# KiCad board STIC.kicad_pcb
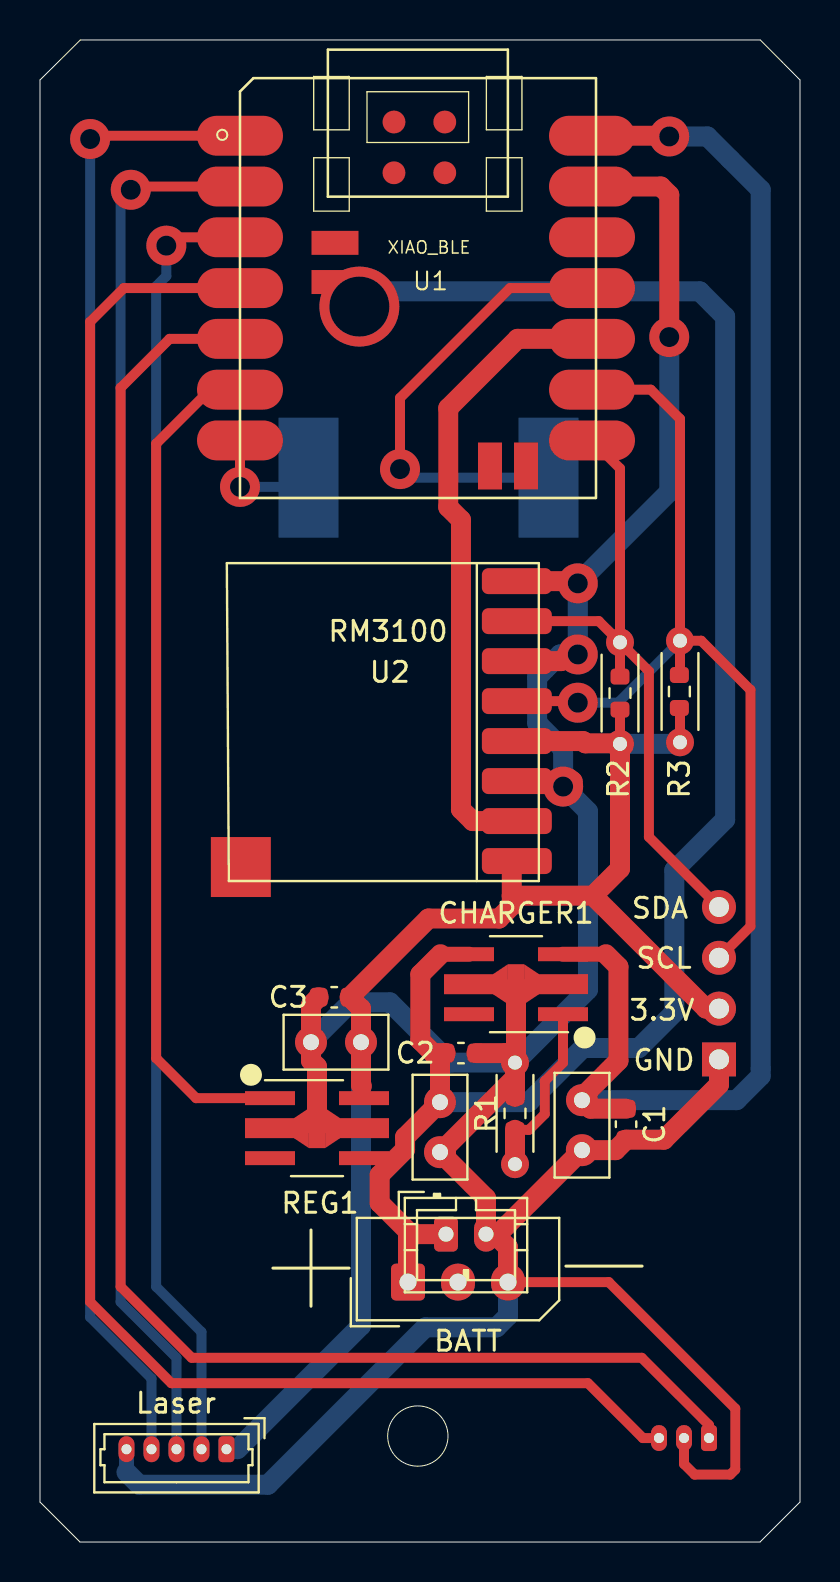
[diagram p0: board, top side]
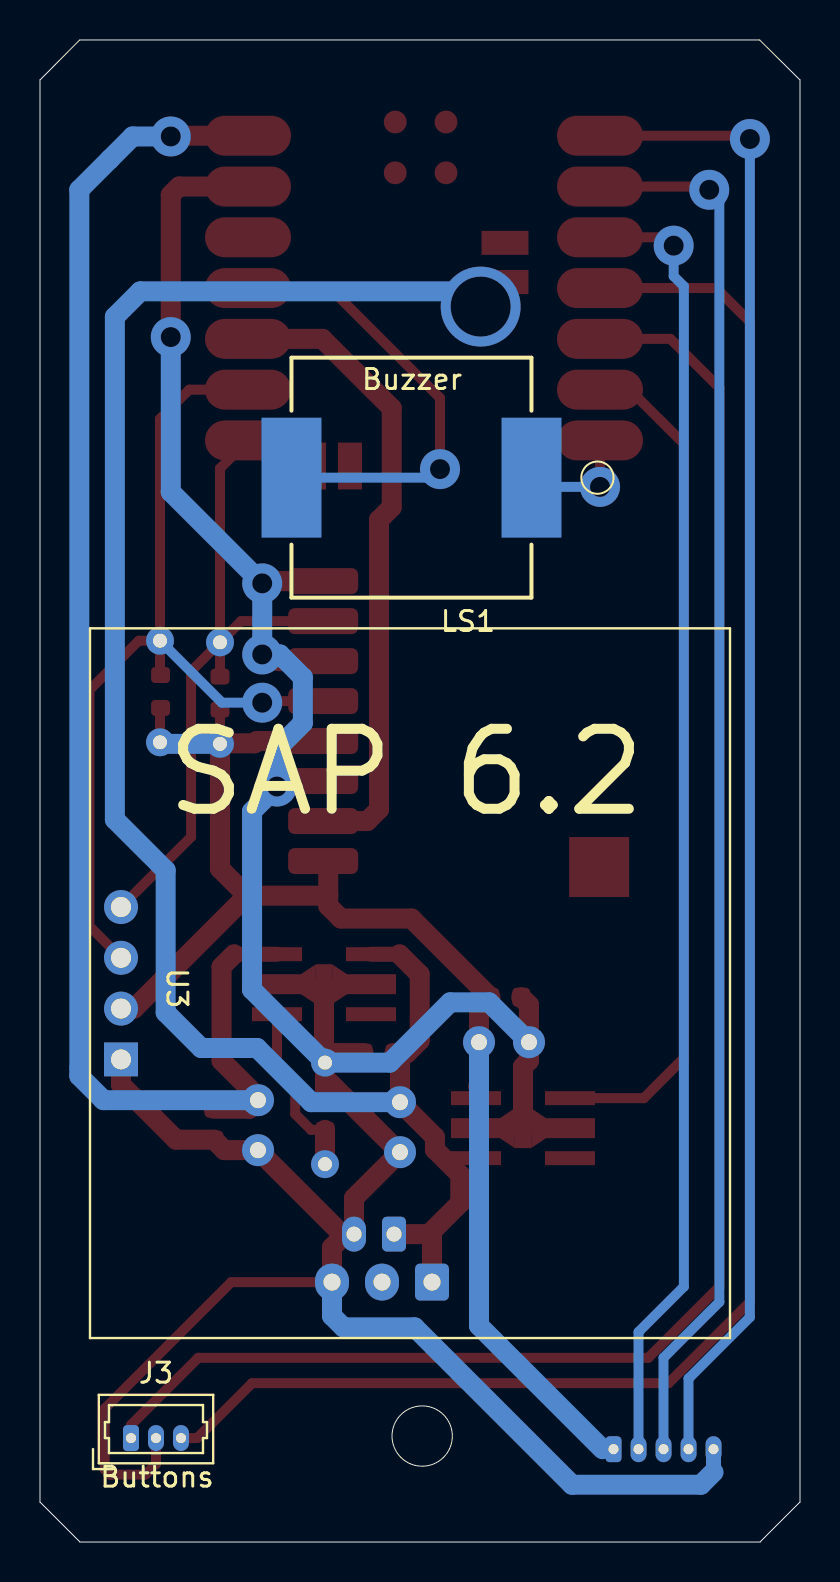
[diagram p1: board, bottom side, seen from below]

Outline 38 x 75.13 mm; copper layers: Top, Bottom. Coordinates in mm from the lower left corner of the outline.
Outline path: circle c18.89,5.3 r1.51 ; 0,73.13 2.02,75.13 36.02,75.13 38,73.13 38,2 36,0 2,0 0,2 0,73.13

## Placement (name value [footprint] x y rotation side)
C1  1.0uF  [C_0603_1608Metric]  29.3 20.9 270 top
C2  1.0uF  [C_0603_1608Metric]  21.05 24.45 0 top
C3  4.7uF  [C_0603_1608Metric]  14.71 27.25 180 top
C_1  1.0uF  [C_Disc_D5.0mm_W2.5mm_P2.50mm]  27.1 22.1 270 top
C_2  1.0uF  [C_Disc_D5.0mm_W2.5mm_P2.50mm]  20 22 270 top
C_3  4.7uF  [C_Disc_D5.0mm_W2.5mm_P2.50mm]  16.05 25 180 top
CHARGER1  XC6802A42XMR-G  [SOT-89-5_Handsoldering]  23.8 27.9 180 top
J1  22-03-5035  [Molex_SPOX_5267-03A_1x03_P2.50mm_Vertical]  18.4 13 0 top
J2  53047-0510  [Molex_PicoBlade_53047-0510_1x05_P1.25mm_Vertical]  9.32 4.64 180 top
J3  53047-0310  [Molex_PicoBlade_53047-0310_1x03_P1.25mm_Vertical]  33.45 5.2 180 bottom
J5  Conn_01x02  [JST_PH_B2B-PH-K_1x02_P2.00mm_Vertical]  20.3 15.4 0 top
LS1  Speaker  [SPKR_AST1240MLTRQ]  19.43 53.24 0 bottom
R1  2k  [R_0603_1608Metric]  23.75 21.44 90 top
R2  2k  [R_0603_1608Metric]  29 42.46 90 top
R3  2k  [R_0603_1608Metric]  31.97 42.54 90 top
R_1  2k  [R_Axial_DIN0204_L3.6mm_D1.6mm_P5.08mm_Horizontal]  23.75 18.9 90 top
R_2  2k  [R_Axial_DIN0204_L3.6mm_D1.6mm_P5.08mm_Horizontal]  29 39.92 90 top
R_3  2k  [R_Axial_DIN0204_L3.6mm_D1.6mm_P5.08mm_Horizontal]  32 40 90 top
REG1  AP7361C-33Y5-13  [SOT-89-5_Handsoldering]  13.85 20.7 0 top
U1  XIAO_BLE  [Seeeduino_XIAO-MOUDLE14P-2.54-21X17.8MM]  10 52.22 0 top
U2  -  [RM3100_Breakout]  17.14 41.16 0 top
U3  OLED1_3_GND1  [OLED1_3]  33.8 24.2 180 bottom

## Library data of the parts
C1-C3 = -: Manufacturer_Part_Number: CL21B475KOFZFNE; ki_fp_filters: C_*
C_1 C_2 = -: Manufacturer_Part_Number: FG18X7R1E105KRT06; Farnell Part Number: 3416643; ki_fp_filters: C_*
C_3 = -: Manufacturer_Part_Number: FG14X5R1H475KRT06; Farnell Part Number: 3618969; ki_fp_filters: C_*
CHARGER1 = -: Datasheet: https://www.torexsemi.com/file/xc6802/XC6802.pdf; Description: TOREX - XC6802A42XMR-G - IC, BATTERY CHARGER, LI-ION, SOT-25; Height: 1.3; Manufacturer_Name: Torex; Mouser Part Number: 865-XC6802A42XMR-G; Mouser Price/Stock: https://www.mouser.co.uk/ProductDetail/Torex-Semiconductor/XC6802A42XMR-G?qs=AsjdqWjXhJ99%252BcS5YGfUeQ%3D%3D; Farnell Part Number: 3535545
J1 = -: Datasheet: http://uk.rs-online.com/web/p/products/6878048P; Description: Header 2.5mm SPOX,WTB,vert, shrouded, 3w Molex SPOX Series, Series Number 5267, 2.5mm Pitch 3 Way 1 Row Straight PCB Header, Solder Termination, 3A; Height: 5.9; RS Part Number: 6878048P; RS Price/Stock: http://uk.rs-online.com/web/p/products/6878048P; Manufacturer_Name: Molex; Allied_Number: 70248167; Farnell Part Number: 9979620
J2 = -: Datasheet: http://uk.rs-online.com/web/p/products/4476596P; Description: Headers & Wire Housings VERTICAL HDR 5P; Height: 4.4; RS Part Number: 4476596P; RS Price/Stock: http://uk.rs-online.com/web/p/products/4476596P; Manufacturer_Name: Molex; Allied_Number: 70266929; Farnell Part Number: 9732861
J3 = -: Datasheet: http://uk.rs-online.com/web/p/products/3191064P; Description: Headers & Wire Housings VERTICAL HDR 3P; Height: 4.4; RS Part Number: 3191064P; RS Price/Stock: http://uk.rs-online.com/web/p/products/3191064P; Manufacturer_Name: Molex; Allied_Number: 70266925; Farnell Part Number: 9732853
J5 = -: Description: JST PH-2.0 header to connect to battery; Farnell Part Number: 9491856; Manufacturer_Part_Number: B2B-PH-K-S(LF)(SN); ki_fp_filters: Connector*:*_1x??_*
LS1 = -: Description: Piezo transducer, 12mm; Manufacturer_Part_Number: AST1240MLTRQ or MCABT-458-RC; Farnell Part Number: 2433031
R1-R3 = -: Farnell Part Number: 9342788; Manufacturer_Part_Number: ARG03FTC2051; ki_fp_filters: R_*
R_1-R_3 = -: Farnell Part Number: 9342788; Manufacturer_Part_Number: MF12 2K; ki_fp_filters: R_*
REG1 = -: Datasheet: https://www.diodes.com/assets/Datasheets/AP7361C.pdf; Description: DIODES INC. - AP7361C-33Y5-13 - LDO, FIXED, 3.3V, 1A, -40 TO 85DEG C; Manufacturer_Name: Diodes Inc.; Mouser Part Number: 621-AP7361C-33Y5-13; Mouser Price/Stock: https://www.mouser.co.uk/ProductDetail/Diodes-Incorporated/AP7361C-33Y5-13?qs=xisxFN06iGfHzLSxgFys7Q%3D%3D; Arrow Price/Stock: https://www.arrow.com/en/products/ap7361c-33y5-13/diodes-incorporated?region=nac; Farnell Part Number: 3482981
U1 = -: Description: XIAO nRF52840 Sense microcontroller; Farnell Part Number: 4060352; Manufacturer_Part_Number: 102010469; Mouser Part Number: 4060352; Manufacturer_Name: Seeed
U2 = -: Description: RM3100 magnetometer - breakout board; Manufacturer_Part_Number: https://www.aliexpress.com/item/1005001698153630.html
U3 = -: Description: 1.3" OLED display - widely available on AliExpress and eBay, check 1st pin is GND; Manufacturer_Part_Number: https://www.aliexpress.com/item/32830144222.html

## Footprints (pads in the part's own frame, mm; a bottom-side part is the same pattern mirrored in y, then rotated)
C_0603_1608Metric
  rrect 0.9x0.95 smd: 1(-0.775,0) 2(0.775,0)
C_Disc_D5.0mm_W2.5mm_P2.50mm
  round 1.6 hole 0.8: 1(0,0) 2(2.5,0)
JST_PH_B2B-PH-K_1x02_P2.00mm_Vertical
  rrect 1.2x1.75 hole 0.75: 1(0,0)
  oval 1.2x1.75 hole 0.75: 2(2,0)
Molex_PicoBlade_53047-0310_1x03_P1.25mm_Vertical
  rrect 0.8x1.3 hole 0.5: 1(0,0)
  oval 0.8x1.3 hole 0.5: 2(1.25,0) 3(2.5,0)
Molex_PicoBlade_53047-0510_1x05_P1.25mm_Vertical
  rrect 0.8x1.3 hole 0.5: 1(0,0)
  oval 0.8x1.3 hole 0.5: 2(1.25,0) 3(2.5,0) 4(3.75,0) 5(5,0)
Molex_SPOX_5267-03A_1x03_P2.50mm_Vertical
  rrect 1.7x1.85 hole 0.85: 1(0,0)
  oval 1.7x1.85 hole 0.85: 2(2.5,0) 3(5,0)
OLED1_3
  rect 1.7x1.7 hole 1: 1(-0.15,-0.06)
  oval 1.7x1.7 hole 1: 2(-0.15,2.48) 3(-0.15,5.02)
  round 1.7 hole 1: 4(-0.15,7.56)
R_0603_1608Metric
  rrect 0.8x0.95 smd: 1(-0.825,0) 2(0.825,0)
R_Axial_DIN0204_L3.6mm_D1.6mm_P5.08mm_Horizontal
  round 1.4 hole 0.7: 1(0,0)
  oval 1.4x1.4 hole 0.7: 2(5.08,0)
RM3100_Breakout
  rrect 3.5x1.3 smd: 1(6.7,-7.1) 2(6.7,-5.1) 3(6.7,-3.1) 4(6.7,-1.1) 5(6.7,0.9) 6(6.7,2.9) 7(6.7,4.9) 8(6.7,6.9)
  rect 3x3 smd: 9(-7.1,-7.4)
Seeeduino_XIAO-MOUDLE14P-2.54-21X17.8MM
  oval 4.3x1.999 smd: 1(0,18.118) 2(0,15.578) 3(0,13.038) 4(0,10.498) 5(0,7.958) 6(0,5.418) 7(0,2.878) 8(17.6,2.878) 9(17.6,5.418) 10(17.6,7.958) 11(17.6,10.498) 12(17.6,13.038) 13(17.6,15.578) 14(17.6,18.118)
  rect 2.35x1.2 smd: 15(4.75,10.8) 16(4.75,12.76)
  round 1.143 smd: 17(7.699,18.804) 18(10.239,18.804) 19(7.699,16.264) 20(10.239,16.264)
  rect 1.2x2.35 smd: 21(12.5,1.6) 22(14.3,1.6)
SOT-89-5_Handsoldering
  rect 2.5x0.7 smd: 1(-2.35,1.5) 3(-2.35,-1.5) 4(2.35,-1.5) 5(2.35,1.5)
  rect 2.5x1 smd: 2(-2.35,0) 2(2.35,0)
  trapezoid 0.75x1.5 smd: 2(-0.78,0) 2(0.78,0)
  rect 0.8x2 smd: 2(0,0)
SPKR_AST1240MLTRQ
  rect 3x6 smd: 1(-6,0) 2(6,0)

## Nets
+3V3: C3.1 C_3.1 J2.1 R2.1 R3.1 R_2.1 R_3.1 REG1.5 U2.1 U2.4 U3.2
GND: C1.2 C2.2 C3.2 C_1.2 C_2.2 C_3.2 CHARGER1.2 J1.3 J2.5 J3.2 J5.2 R1.2 R_1.2 REG1.2 U1.13 U2.3 U2.6 U2.8 U3.1
VBUS: C1.1 C_1.1 CHARGER1.3 U1.14
+BATT: C2.1 C_2.1 CHARGER1.4 J1.1 J5.1 REG1.4 U1.15
/BUTTON_A: J3.3 U1.4
/BUTTON_B: J3.1 U1.5
/BUZZER_A: LS1.2 U1.11
/BUZZER_B: LS1.1 U1.7
/DRDY: U1.10 U2.2
/LASER_EN: J2.4 U1.1
/PERIPH_EN: REG1.1 U1.6
/Rx: J2.3 U1.2
/SCL: R3.2 R_3.2 U1.9 U2.5 U3.3
/SDA: R2.2 R_2.2 U1.8 U2.7 U3.4
/Tx: J2.2 U1.3
Net-(CHARGER1-ISEN): CHARGER1.1 R1.1 R_1.1

Pads without a net: CHARGER1 5; J1 2; REG1 3; U1 12 16 17 18 19 20 21 22; U2 9

## Via types
v1: diameter 2, hole 1, Top to Bottom, 11 vias
v2: diameter 4, hole 3, Top to Bottom, 1 via

## Routing (per net, layer and track width the routed paths; a pad name or vN(x,y) marks a point on that pad's centre or on a via; arc(x,y) is an arc through that point)
+3V3: length 73.1
  Top w0.5: R2.1 R_2.1 ; 32,41.72 R_3.1
  Top w1: 16.09,22.8 16.05,22.85 C_3.1 16.05,26.68 C3.1 19.42,31.19 22.95,31.19 23.59,31.82 23.59,32.33 ; R_2.1 28.97,39.95 27.27,39.95 27.16,40.06 U2.4 ; R_2.1 29,33.68 27.65,32.33 ; R_2.1 29.08,40 ; U3.2 33.3,26.68 27.65,32.33 ; U2.1 23.59,33.81 23.59,32.33 ; 27.65,32.33 23.59,32.33
  Bottom w0.75: 9.87,4.64 J2.1
  Bottom w1: R_2.1 31.92,39.92 R_3.1 ; 9.87,4.64 16.05,10.82 C_3.1
GND: length 166.2
  Top w0.5: J3.2 32.2,3.9 32.73,3.37 34.51,3.37 34.76,3.63 34.76,6.67 28.44,13 J1.3
  Top w1: 21.82,24.45 23.28,24.45 R_1.2 ; 26.38,44.39 26.05,44.06 U2.6 ; C_1.2 22.9,15.4 J5.2 ; C_1.2 28.78,19.6 C1.2 31.19,20.12 33.95,22.88 U3.1 ; C_1.2 26.79,19.6 ; U2.8 27,48.06 27.02,48.08 ; CHARGER1.2 23.8,24.03 R_1.2 ; R_1.2 R1.2 ; R_1.2 23.75,23.22 20.03,19.5 C_2.2 22.3,17.2 J5.2 ; J1.3 23.4,14.74 22.74,15.4 J5.2 ; v1(31.46,60.27) 31.46,67.38 31.04,67.8 U1.13 ; C3.2 13.55,26.86 C_3.2 13.55,24.08 13.85,23.78 REG1.2 ; U2.3 26.62,38.06 26.64,38.04
  Bottom w0.75: J2.5 4.32,3.49
  Bottom w1: 4.32,3.49 4.95,2.86 11.4,2.86 19.27,10.74 22.83,10.74 23.4,11.31 J1.3 ; v1(31.46,60.27) 31.46,52.52 v1(26.89,47.95) v1(26.89,44.39) 26,44.39 24.86,43.25 24.86,40.96 26.16,39.67 v1(26.16,37.79) 27.4,36.54 27.4,27.63 R_1.2 20.51,23.98 17.49,26.99 15.54,26.99 C_3.2
VBUS: length 76.2
  Top w0.75: 28.29,29.4 CHARGER1.3
  Top w1: U1.14 31.43,70.34 v1(31.46,70.3) ; C1.1 27.53,21.67 C_1.1 27.1,22.25 28.92,24.07 28.92,28.77 28.29,29.4
  Bottom w1: v1(31.46,70.3) 33.37,70.3 36.03,67.63 36.03,23.31 34.82,22.1 C_1.1
+BATT: length 91.2
  Top w0.75: CHARGER1.4 20.03,29.4
  Top w1: 20.03,29.4 19.02,28.39 19.02,25.09 19.65,24.45 C2.1 20,24.18 C_2.1 18.25,20.25 18.25,19.63 16.98,18.36 16.98,16.96 18.55,15.4 ; 18.55,15.4 J5.1 ; 18.55,15.4 18.4,15.25 J1.1
  Bottom w1: C_2.1 24.44,22 27.14,24.71 29.94,24.71 31.72,26.49 31.72,33.6 34.26,36.14 34.26,61.28 32.99,62.55 15.97,62.55
  vias: v2(15.97,61.79)
/BUTTON_A: length 88.5
  Top w0.5: U1.4 4.19,62.72 2.51,61.03 2.51,12.01 6.57,7.94 27.4,7.94 30.14,5.2 J3.3
/BUTTON_B: length 84.9
  Top w0.5: J3.1 33.45,5.85 30.09,9.21 7.59,9.21 4.03,12.77 4.03,57.73 6.48,60.18 U1.5
/BUZZER_A: length 23.2
  Top w0.5: U1.11 23.5,62.72 18,57.22 v1(18,53.66)
  Bottom w0.5: v1(18,53.66) 18,53.41 18.17,53.24 LS1.2
/BUZZER_B: length 6.1
  Top w0.5: U1.7 v1(10,52.77) 10.13,52.65
  Bottom w0.5: LS1.1 12.97,52.77 v1(10,52.77)
/DRDY: length 32
  Top w1: U1.10 23.88,60.18 20.41,56.71 20.41,51.76 21.05,51.12 21.05,36.65 21.63,36.06 U2.2
/LASER_EN: length 74.4
  Top w0.5: v1(2.51,70.17) 2.67,70.34 U1.1
  Bottom w0.5: v1(2.51,70.17) 2.51,11.25 5.57,8.18 J2.4
/PERIPH_EN: length 42.6
  Top w0.5: U1.6 8.51,57.64 5.81,54.93 5.81,24.2 7.81,22.2 REG1.1
/Rx: length 69.9
  Top w0.5: v1(4.54,67.63) 4.7,67.8 U1.2
  Bottom w0.5: v1(4.54,67.63) 4.03,67.13 4.03,12.01 6.82,9.21 J2.3
/SCL: length 45.5
  Top w0.5: U1.9 30.54,57.64 32,56.17 R_3.2 ; U3.3 35.53,30.8 35.53,42.61 33.06,45.08 R_3.2 ; R_3.2 32,43.36 ; 26.51,41.98 26.43,42.06 U2.5
  Bottom w0.5: v1(26.89,41.98) 28.9,41.98 R_3.2
/SDA: length 33.4
  Top w0.5: R_2.2 29,53.7 U1.8 ; R_2.2 27.94,46.06 U2.7 ; R_2.2 30.45,43.55 30.45,35.26 U3.4 ; R_2.2 R2.2
  Top w1: R_2.2 29,45.08
/Tx: length 65.2
  Top w0.5: v1(6.32,64.84) 6.73,65.26 U1.3
  Bottom w0.5: v1(6.32,64.84) 6.32,63.32 5.81,62.81 5.81,12.77 8.07,10.5 J2.2
Net-(CHARGER1-ISEN): length 8.9
  Top w0.5: R1.1 24.45,20.61 25.24,21.41 25.24,23.06 26.15,23.97 CHARGER1.1
  Top w1: R1.1 R_1.1

## Text on the board
B.Silkscreen: Buzzer | Buttons | SAP 6.2
F.Silkscreen: Laser | RM3100 | BATT | SDA | 3.3V | SCL | GND | + | -
